# Altium PCB FlatSat Half 2.PcbDoc (part 5 of 9)
Units mil, origin at the board's own origin, x right, y up, seen from the top; angles counter-clockwise.
Board outline 4682 x 11604 mil, 4 copper layers (Top Layer, STR GND 1, STR GND 2, Bottom Layer), stack 33.434 mil thick; 231 components, 255 nets, 990 pads, 1104 vias.
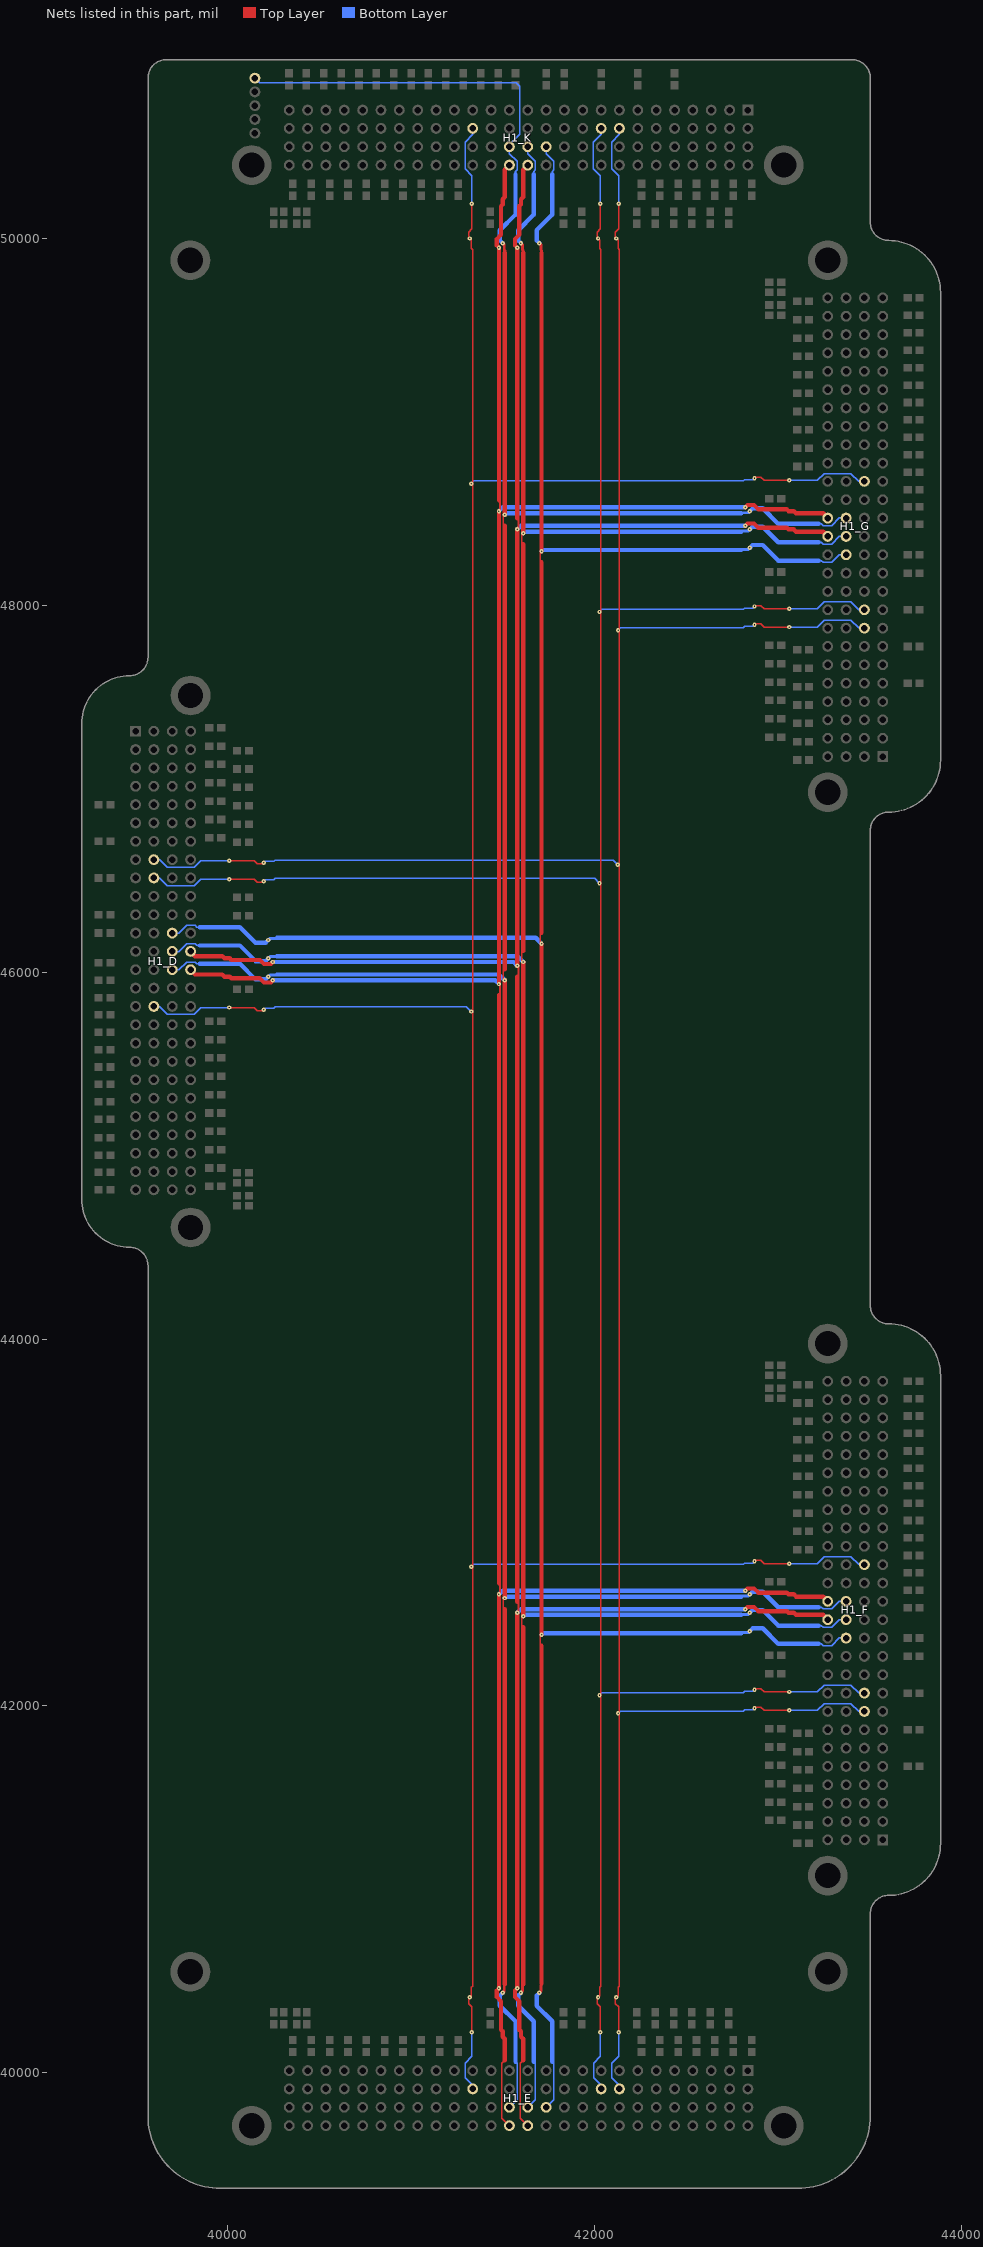
[diagram p7: the nets of this part, all layers, seen from the top]

## Design rules (kind name [scope] priority, off if disabled: settings) (continued)
Width "Schematic Width Constraint_82" [InNet('NetH1_C_45')] p1004: maxlimit=10 minlimit=8 preferedwidth=8
Width "Schematic Width Constraint_81" [InNet('NetH1_C_43')] p1005: maxlimit=10 minlimit=8 preferedwidth=8
Width "Schematic Width Constraint_80" [InNet('NetH1_C_41')] p1006: maxlimit=10 minlimit=8 preferedwidth=8
Width "Schematic Width Constraint_79" [InNet('NetH1_C_39')] p1007: maxlimit=10 minlimit=8 preferedwidth=8
Width "Schematic Width Constraint_78" [InNet('NetH1_C_37')] p1008: maxlimit=10 minlimit=8 preferedwidth=8
Width "Schematic Width Constraint_77" [InNet('NetH1_C_35')] p1009: maxlimit=10 minlimit=8 preferedwidth=8
Width "Schematic Width Constraint_76" [InNet('NetH1_C_33')] p1010: maxlimit=10 minlimit=8 preferedwidth=8
Width "Schematic Width Constraint_75" [InNet('NetH1_C_30')] p1011: maxlimit=10 minlimit=8 preferedwidth=8
Width "Schematic Width Constraint_74" [InNet('NetH1_C_22')] p1012: maxlimit=10 minlimit=8 preferedwidth=8
Width "Schematic Width Constraint_73" [InNet('NetH1_C_20')] p1013: maxlimit=10 minlimit=8 preferedwidth=8
Width "Schematic Width Constraint_72" [InNet('NetH1_C_14')] p1014: maxlimit=10 minlimit=8 preferedwidth=8
Width "Schematic Width Constraint_71" [InNet('NetH1_C_13')] p1015: maxlimit=10 minlimit=8 preferedwidth=8
Width "Schematic Width Constraint_70" [InNet('NetH1_C_12')] p1016: maxlimit=10 minlimit=8 preferedwidth=8
Width "Schematic Width Constraint_69" [InNet('NetH1_C_11')] p1017: maxlimit=10 minlimit=8 preferedwidth=8
Width "Schematic Width Constraint_68" [InNet('NetH1_C_10')] p1018: maxlimit=10 minlimit=8 preferedwidth=8
Width "Schematic Width Constraint_67" [InNet('NetH1_C_9')] p1019: maxlimit=10 minlimit=8 preferedwidth=8
Width "Schematic Width Constraint_66" [InNet('NetH1_C_8')] p1020: maxlimit=10 minlimit=8 preferedwidth=8
Width "Schematic Width Constraint_65" [InNet('NetH1_C_7')] p1021: maxlimit=10 minlimit=8 preferedwidth=8
Width "Schematic Width Constraint_64" [InNet('NetH1_C_6')] p1022: maxlimit=10 minlimit=8 preferedwidth=8
Width "Schematic Width Constraint_63" [InNet('NetH1_C_5')] p1023: maxlimit=10 minlimit=8 preferedwidth=8
Width "Schematic Width Constraint_62" [InNet('NetH1_C_4')] p1024: maxlimit=10 minlimit=8 preferedwidth=8
Width "Schematic Width Constraint_61" [InNet('NetH1_C_3')] p1025: maxlimit=10 minlimit=8 preferedwidth=8
Width "Schematic Width Constraint_60" [InNet('NetH1_C_1')] p1026: maxlimit=10 minlimit=8 preferedwidth=8
Width "Schematic Width Constraint_59" [InNet('NetH1_B_104')] p1027: maxlimit=10 minlimit=8 preferedwidth=8
Width "Schematic Width Constraint_58" [InNet('NetH1_B_103')] p1028: maxlimit=10 minlimit=8 preferedwidth=8
Width "Schematic Width Constraint_57" [InNet('NetH1_B_102')] p1029: maxlimit=10 minlimit=8 preferedwidth=8
Width "Schematic Width Constraint_56" [InNet('NetH1_B_101')] p1030: maxlimit=10 minlimit=8 preferedwidth=8
Width "Schematic Width Constraint_55" [InNet('NetH1_B_51')] p1031: maxlimit=10 minlimit=8 preferedwidth=8
Width "Schematic Width Constraint_54" [InNet('NetH1_B_49')] p1032: maxlimit=10 minlimit=8 preferedwidth=8
Width "Schematic Width Constraint_53" [InNet('NetH1_B_47')] p1033: maxlimit=10 minlimit=8 preferedwidth=8
Width "Schematic Width Constraint_52" [InNet('NetH1_B_45')] p1034: maxlimit=10 minlimit=8 preferedwidth=8
Width "Schematic Width Constraint_51" [InNet('NetH1_B_43')] p1035: maxlimit=10 minlimit=8 preferedwidth=8
Width "Schematic Width Constraint_50" [InNet('NetH1_B_41')] p1036: maxlimit=10 minlimit=8 preferedwidth=8
Width "Schematic Width Constraint_49" [InNet('NetH1_B_39')] p1037: maxlimit=10 minlimit=8 preferedwidth=8
Width "Schematic Width Constraint_48" [InNet('NetH1_B_37')] p1038: maxlimit=10 minlimit=8 preferedwidth=8
Width "Schematic Width Constraint_47" [InNet('NetH1_B_35')] p1039: maxlimit=10 minlimit=8 preferedwidth=8
Width "Schematic Width Constraint_46" [InNet('NetH1_B_33')] p1040: maxlimit=10 minlimit=8 preferedwidth=8
Width "Schematic Width Constraint_45" [InNet('NetH1_B_30')] p1041: maxlimit=10 minlimit=8 preferedwidth=8
Width "Schematic Width Constraint_44" [InNet('NetH1_B_22')] p1042: maxlimit=10 minlimit=8 preferedwidth=8
Width "Schematic Width Constraint_43" [InNet('NetH1_B_20')] p1043: maxlimit=10 minlimit=8 preferedwidth=8
Width "Schematic Width Constraint_42" [InNet('NetH1_B_14')] p1044: maxlimit=10 minlimit=8 preferedwidth=8
Width "Schematic Width Constraint_41" [InNet('NetH1_B_13')] p1045: maxlimit=10 minlimit=8 preferedwidth=8
Width "Schematic Width Constraint_40" [InNet('NetH1_B_12')] p1046: maxlimit=10 minlimit=8 preferedwidth=8
Width "Schematic Width Constraint_39" [InNet('NetH1_B_11')] p1047: maxlimit=10 minlimit=8 preferedwidth=8
Width "Schematic Width Constraint_38" [InNet('NetH1_B_10')] p1048: maxlimit=10 minlimit=8 preferedwidth=8
Width "Schematic Width Constraint_37" [InNet('NetH1_B_9')] p1049: maxlimit=10 minlimit=8 preferedwidth=8
Width "Schematic Width Constraint_36" [InNet('NetH1_B_8')] p1050: maxlimit=10 minlimit=8 preferedwidth=8
Width "Schematic Width Constraint_35" [InNet('NetH1_B_7')] p1051: maxlimit=10 minlimit=8 preferedwidth=8
Width "Schematic Width Constraint_34" [InNet('NetH1_B_6')] p1052: maxlimit=10 minlimit=8 preferedwidth=8
Width "Schematic Width Constraint_33" [InNet('NetH1_B_5')] p1053: maxlimit=10 minlimit=8 preferedwidth=8
Width "Schematic Width Constraint_32" [InNet('NetH1_B_4')] p1054: maxlimit=10 minlimit=8 preferedwidth=8
Width "Schematic Width Constraint_31" [InNet('NetH1_B_3')] p1055: maxlimit=10 minlimit=8 preferedwidth=8
Width "Schematic Width Constraint_30" [InNet('NetH1_B_1')] p1056: maxlimit=10 minlimit=8 preferedwidth=8
Width "Schematic Width Constraint_29" [InNet('NetH1_A_104')] p1057: maxlimit=10 minlimit=8 preferedwidth=8
Width "Schematic Width Constraint_28" [InNet('NetH1_A_103')] p1058: maxlimit=10 minlimit=8 preferedwidth=8
Width "Schematic Width Constraint_27" [InNet('NetH1_A_102')] p1059: maxlimit=10 minlimit=8 preferedwidth=8
Width "Schematic Width Constraint_25" [InNet('NetH1_A_51')] p1060: maxlimit=10 minlimit=8 preferedwidth=8
Width "Schematic Width Constraint_24" [InNet('NetH1_A_49')] p1061: maxlimit=10 minlimit=8 preferedwidth=8
Width "Schematic Width Constraint_23" [InNet('NetH1_A_47')] p1062: maxlimit=10 minlimit=8 preferedwidth=8
Width "Schematic Width Constraint_22" [InNet('NetH1_A_45')] p1063: maxlimit=10 minlimit=8 preferedwidth=8
Width "Schematic Width Constraint_21" [InNet('NetH1_A_43')] p1064: maxlimit=10 minlimit=8 preferedwidth=8
Width "Schematic Width Constraint_20" [InNet('NetH1_A_41')] p1065: maxlimit=10 minlimit=8 preferedwidth=8
Width "Schematic Width Constraint_19" [InNet('NetH1_A_39')] p1066: maxlimit=10 minlimit=8 preferedwidth=8
Width "Schematic Width Constraint_18" [InNet('NetH1_A_37')] p1067: maxlimit=10 minlimit=8 preferedwidth=8
Width "Schematic Width Constraint_17" [InNet('NetH1_A_35')] p1068: maxlimit=10 minlimit=8 preferedwidth=8
Width "Schematic Width Constraint_16" [InNet('NetH1_A_33')] p1069: maxlimit=10 minlimit=8 preferedwidth=8
Width "Schematic Width Constraint_15" [InNet('NetH1_A_30')] p1070: maxlimit=10 minlimit=8 preferedwidth=8
Width "Schematic Width Constraint_14" [InNet('NetH1_A_22')] p1071: maxlimit=10 minlimit=8 preferedwidth=8
Width "Schematic Width Constraint_13" [InNet('NetH1_A_20')] p1072: maxlimit=10 minlimit=8 preferedwidth=8
Width "Schematic Width Constraint_12" [InNet('NetH1_A_14')] p1073: maxlimit=10 minlimit=8 preferedwidth=8
Width "Schematic Width Constraint_11" [InNet('NetH1_A_13')] p1074: maxlimit=10 minlimit=8 preferedwidth=8
Width "Schematic Width Constraint_10" [InNet('NetH1_A_12')] p1075: maxlimit=10 minlimit=8 preferedwidth=8
Width "Schematic Width Constraint_9" [InNet('NetH1_A_11')] p1076: maxlimit=10 minlimit=8 preferedwidth=8
Width "Schematic Width Constraint_8" [InNet('NetH1_A_10')] p1077: maxlimit=10 minlimit=8 preferedwidth=8
Width "Schematic Width Constraint_7" [InNet('NetH1_A_9')] p1078: maxlimit=10 minlimit=8 preferedwidth=8
Width "Schematic Width Constraint_6" [InNet('NetH1_A_8')] p1079: maxlimit=10 minlimit=8 preferedwidth=8
Width "Schematic Width Constraint_5" [InNet('NetH1_A_7')] p1080: maxlimit=10 minlimit=8 preferedwidth=8
Width "Schematic Width Constraint_4" [InNet('NetH1_A_6')] p1081: maxlimit=10 minlimit=8 preferedwidth=8
Width "Schematic Width Constraint_3" [InNet('NetH1_A_5')] p1082: maxlimit=10 minlimit=8 preferedwidth=8
Width "Schematic Width Constraint_2" [InNet('NetH1_A_4')] p1083: maxlimit=10 minlimit=8 preferedwidth=8
Width "Schematic Width Constraint_1" [InNet('NetH1_A_3')] p1084: maxlimit=10 minlimit=8 preferedwidth=8
Width [All] p1085: maxlimit=40 minlimit=6 preferedwidth=24
26 further rules are at their usual default settings.

## Classes and differential pairs
component class A: H1_K J40_A J42_A J44_A J45_A J46_A J48_A J50_A J52_A J61_A J66_A J69_A J71_A J74_A J81_A J82_A J83_A J84_A J99_A J100_A R1_A R3_A R4_A R5_A R6_A R7_A R8_A R9_A R10_A R11_A R12_A R13_A R14_A R20_A R22_A R30_A R33_A R35_A R37_A R39_A R41_A R43_A R45_A R47_A R49_A R51_A R101_A R102_A R103_A R104_A
channel class FlatSat-PC-104: A B C D E F G H
component class D: H1_D J40_D J42_D J44_D J45_D J46_D J48_D J50_D J52_D J61_D J66_D J69_D J71_D J74_D J81_D J82_D J83_D J84_D J99_D J100_D R1_D R3_D R4_D R5_D R6_D R7_D R8_D R9_D R10_D R11_D R12_D R13_D R14_D R20_D R22_D R30_D R33_D R35_D R37_D R39_D R41_D R43_D R45_D R47_D R49_D R51_D R101_D R102_D R103_D R104_D
component class E: H1_E R1_E R3_E R4_E R5_E R6_E R7_E R8_E R9_E R10_E R11_E R12_E R13_E R14_E R20_E R22_E R30_E R33_E R35_E R37_E R39_E R41_E R43_E R45_E R47_E R49_E R51_E R101_E R102_E R103_E R104_E
component class F: H1_F J40_F J42_F J44_F J45_F J46_F J48_F J50_F J52_F J61_F J66_F J69_F J71_F J74_F J81_F J82_F J83_F J84_F J99_F J100_F R1_F R3_F R4_F R5_F R6_F R7_F R8_F R9_F R10_F R11_F R12_F R13_F R14_F R20_F R22_F R30_F R33_F R35_F R37_F R39_F R41_F R43_F R45_F R47_F R49_F R51_F R101_F R102_F R103_F R104_F
component class G: H1_G J40_G J42_G J44_G J45_G J46_G J48_G J50_G J52_G J61_G J66_G J69_G J71_G J74_G J81_G J82_G J83_G J84_G J99_G J100_G R1_G R3_G R4_G R5_G R6_G R7_G R8_G R9_G R10_G R11_G R12_G R13_G R14_G R20_G R22_G R30_G R33_G R35_G R37_G R39_G R41_G R43_G R45_G R47_G R49_G R51_G R101_G R102_G R103_G R104_G

## Components (designator, comment, footprint, x,y, rotation, side; value= is the part's Value field where it differs from the comment)
H1_D "MOVE-II PC104" EPS 36224,47863 r270 top locked (schematic designator H1)
H1_E "MOVE-II PC104" EPS 43387,43287 r180 top locked (schematic designator H1)
H1_F "MOVE-II PC104" EPS 46847,40720 r90 top locked (schematic designator H1)
H1_G "MOVE-II PC104" EPS 46847,46625 r90 top locked (schematic designator H1)
H1_K "MOVE-II PC104" EPS 43387,53974 r180 top locked (schematic designator H1)
J40_A "CRCW06030000Z0EA" RESC1609X55X30ML10T20 41190.31,50867 r90 top (schematic designator J40)
J40_D "CRCW06030000Z0EA" RESC1609X55X30ML10T20 39330,45671.93 r180 top (schematic designator J40)
J40_F "CRCW06030000Z0EA" RESC1609X55X30ML10T20 43740,42916.07 r0 top (schematic designator J40)
J40_G "CRCW06030000Z0EA" RESC1609X55X30ML10T20 43740,48821.07 r0 top (schematic designator J40)
J42_A "CRCW06030000Z0EA" RESC1609X55X30ML10T20 41095.66,50867 r90 top (schematic designator J42)
J42_D "CRCW06030000Z0EA" RESC1609X55X30ML10T20 39330,45577.28 r180 top (schematic designator J42)
J42_F "CRCW06030000Z0EA" RESC1609X55X30ML10T20 43740,43010.72 r0 top (schematic designator J42)
J42_G "CRCW06030000Z0EA" RESC1609X55X30ML10T20 43740,48915.72 r0 top (schematic designator J42)
J44_A "CRCW06030000Z0EA" RESC1609X55X30ML10T20 41001,50867 r90 top (schematic designator J44)
J44_D "CRCW06030000Z0EA" RESC1609X55X30ML10T20 39330,45482.62 r180 top (schematic designator J44)
J44_F "CRCW06030000Z0EA" RESC1609X55X30ML10T20 43740,43105.38 r0 top (schematic designator J44)
J44_G "CRCW06030000Z0EA" RESC1609X55X30ML10T20 43740,49010.38 r0 top (schematic designator J44)
J45_A "CRCW06030000Z0EA" RESC1609X55X30ML10T20 40906.31,50867 r90 top (schematic designator J45)
J45_D "CRCW06030000Z0EA" RESC1609X55X30ML10T20 39330,45387.97 r180 top (schematic designator J45)
J45_F "CRCW06030000Z0EA" RESC1609X55X30ML10T20 43740,43200.03 r0 top (schematic designator J45)
J45_G "CRCW06030000Z0EA" RESC1609X55X30ML10T20 43740,49105.03 r0 top (schematic designator J45)
J46_A "CRCW06030000Z0EA" RESC1609X55X30ML10T20 40811.66,50867 r90 top (schematic designator J46)
J46_D "CRCW06030000Z0EA" RESC1609X55X30ML10T20 39330,45293.31 r180 top (schematic designator J46)
J46_F "CRCW06030000Z0EA" RESC1609X55X30ML10T20 43740,43294.69 r0 top (schematic designator J46)
J46_G "CRCW06030000Z0EA" RESC1609X55X30ML10T20 43740,49199.69 r0 top (schematic designator J46)
J48_A "CRCW06030000Z0EA" RESC1609X55X30ML10T20 40620,50867 r90 top (schematic designator J48)
J48_D "CRCW06030000Z0EA" RESC1609X55X30ML10T20 39330,45097.31 r180 top (schematic designator J48)
J48_F "CRCW06030000Z0EA" RESC1609X55X30ML10T20 43740,43485.69 r0 top (schematic designator J48)
J48_G "CRCW06030000Z0EA" RESC1609X55X30ML10T20 43740,49390.69 r0 top (schematic designator J48)
J50_A "CRCW06030000Z0EA" RESC1609X55X30ML10T20 40430.34,50867 r90 top (schematic designator J50)
J50_D "CRCW06030000Z0EA" RESC1609X55X30ML10T20 39330,44908 r180 top (schematic designator J50)
J50_F "CRCW06030000Z0EA" RESC1609X55X30ML10T20 43740,43675 r0 top (schematic designator J50)
J50_G "CRCW06030000Z0EA" RESC1609X55X30ML10T20 43740,49580 r0 top (schematic designator J50)
J52_A "CRCW06030000Z0EA" RESC1609X55X30ML10T20 40335.69,50867 r90 top (schematic designator J52)
J52_D "CRCW06030000Z0EA" RESC1609X55X30ML10T20 39330,44813 r180 top (schematic designator J52)
J52_F "CRCW06030000Z0EA" RESC1609X55X30ML10T20 43740,43770 r0 top (schematic designator J52)
J52_G "CRCW06030000Z0EA" RESC1609X55X30ML10T20 43740,49675 r0 top (schematic designator J52)
J61_A "CRCW06030000Z0EA" RESC1609X55X30ML10T20 42437,50867 r270 top (schematic designator J61)
J61_D "CRCW06030000Z0EA" RESC1609X55X30ML10T20 39330,46913 r0 top (schematic designator J61)
J61_F "CRCW06030000Z0EA" RESC1609X55X30ML10T20 43740,41670 r180 top (schematic designator J61)
J61_G "CRCW06030000Z0EA" RESC1609X55X30ML10T20 43740,47575 r180 top (schematic designator J61)
J66_A "CRCW06030000Z0EA" RESC1609X55X30ML10T20 42237,50867 r90 top (schematic designator J66)
J66_D "CRCW06030000Z0EA" RESC1609X55X30ML10T20 39330,46713 r180 top (schematic designator J66)
J66_F "CRCW06030000Z0EA" RESC1609X55X30ML10T20 43740,41870 r0 top (schematic designator J66)
J66_G "CRCW06030000Z0EA" RESC1609X55X30ML10T20 43740,47775 r0 top (schematic designator J66)
J69_A "CRCW06030000Z0EA" RESC1609X55X30ML10T20 42037,50867 r270 top (schematic designator J69)
J69_D "CRCW06030000Z0EA" RESC1609X55X30ML10T20 39330,46513 r0 top (schematic designator J69)
J69_F "CRCW06030000Z0EA" RESC1609X55X30ML10T20 43740,42070 r180 top (schematic designator J69)
J69_G "CRCW06030000Z0EA" RESC1609X55X30ML10T20 43740,47975 r180 top (schematic designator J69)
J71_A "CRCW06030000Z0EA" RESC1609X55X30ML10T20 41837,50867 r270 top (schematic designator J71)
J71_D "CRCW06030000Z0EA" RESC1609X55X30ML10T20 39330,46313 r0 top (schematic designator J71)
J71_F "CRCW06030000Z0EA" RESC1609X55X30ML10T20 43740,42270 r180 top (schematic designator J71)
J71_G "CRCW06030000Z0EA" RESC1609X55X30ML10T20 43740,48175 r180 top (schematic designator J71)
J74_A "CRCW06030000Z0EA" RESC1609X55X30ML10T20 41737,50867 r90 top (schematic designator J74)
J74_D "CRCW06030000Z0EA" RESC1609X55X30ML10T20 39330,46213 r180 top (schematic designator J74)
J74_F "CRCW06030000Z0EA" RESC1609X55X30ML10T20 43740,42370 r0 top (schematic designator J74)
J74_G "CRCW06030000Z0EA" RESC1609X55X30ML10T20 43740,48275 r0 top (schematic designator J74)
J81_A "CRCW06030000Z0EA" RESC1609X55X30ML10T20 41569.97,50867 r270 top (schematic designator J81)
J81_D "CRCW06030000Z0EA" RESC1609X55X30ML10T20 39330,46050.56 r0 top (schematic designator J81)
J81_F "CRCW06030000Z0EA" RESC1609X55X30ML10T20 43740,42536.03 r180 top (schematic designator J81)
J81_G "CRCW06030000Z0EA" RESC1609X55X30ML10T20 43740,48441.03 r180 top (schematic designator J81)
J82_A "CRCW06030000Z0EA" RESC1609X55X30ML10T20 41475.31,50867 r90 top (schematic designator J82)
J82_D "CRCW06030000Z0EA" RESC1609X55X30ML10T20 39330,45955.9 r180 top (schematic designator J82)
J82_F "CRCW06030000Z0EA" RESC1609X55X30ML10T20 43740,42630.69 r0 top (schematic designator J82)
J82_G "CRCW06030000Z0EA" RESC1609X55X30ML10T20 43740,48535.69 r0 top (schematic designator J82)
J83_A "CRCW06030000Z0EA" RESC1609X55X30ML10T20 41380.66,50867 r270 top (schematic designator J83)
J83_D "CRCW06030000Z0EA" RESC1609X55X30ML10T20 39330,45861.24 r0 top (schematic designator J83)
J83_F "CRCW06030000Z0EA" RESC1609X55X30ML10T20 43740,42725.34 r180 top (schematic designator J83)
J83_G "CRCW06030000Z0EA" RESC1609X55X30ML10T20 43740,48630.34 r180 top (schematic designator J83)
J84_A "CRCW06030000Z0EA" RESC1609X55X30ML10T20 41286,50867 r90 top (schematic designator J84)
J84_D "CRCW06030000Z0EA" RESC1609X55X30ML10T20 39330,45766.59 r180 top (schematic designator J84)
J84_F "CRCW06030000Z0EA" RESC1609X55X30ML10T20 43740,42820 r0 top (schematic designator J84)
J84_G "CRCW06030000Z0EA" RESC1609X55X30ML10T20 43740,48725 r0 top (schematic designator J84)
J99_A "CRCW06030000Z0EA" RESC1609X55X30ML10T20 40717,50867 r270 top (schematic designator J99)
J99_D "CRCW06030000Z0EA" RESC1609X55X30ML10T20 39330,45198.66 r0 top (schematic designator J99)
J99_F "CRCW06030000Z0EA" RESC1609X55X30ML10T20 43740,43389.34 r180 top (schematic designator J99)
J99_G "CRCW06030000Z0EA" RESC1609X55X30ML10T20 43740,49294.34 r180 top (schematic designator J99)
J100_A "CRCW06030000Z0EA" RESC1609X55X30ML10T20 40525,50867 r90 top (schematic designator J100)
J100_D "CRCW06030000Z0EA" RESC1609X55X30ML10T20 39330,45002.66 r180 top (schematic designator J100)
J100_F "CRCW06030000Z0EA" RESC1609X55X30ML10T20 43740,43580.34 r0 top (schematic designator J100)
J100_G "CRCW06030000Z0EA" RESC1609X55X30ML10T20 43740,49485.34 r0 top (schematic designator J100)
R1_A "CRCW06030000Z0EA" RESC1609X55X30ML10T20 42857,50264 r90 top (schematic designator R1)
R1_D "CRCW06030000Z0EA" RESC1609X55X30ML10T20 39933,47332 r180 top (schematic designator R1)
R1_E "CRCW06030000Z0EA" RESC1609X55X30ML10T20 42857,40146 r270 top (schematic designator R1)
R1_F "CRCW06030000Z0EA" RESC1609X55X30ML10T20 43138,41251 r0 top (schematic designator R1)
R1_G "CRCW06030000Z0EA" RESC1609X55X30ML10T20 43138,47156 r0 top (schematic designator R1)
R3_A "CRCW06030000Z0EA" RESC1609X55X30ML10T20 42757,50264 r90 top (schematic designator R3)
R3_D "CRCW06030000Z0EA" RESC1609X55X30ML10T20 39933,47232 r180 top (schematic designator R3)
R3_E "CRCW06030000Z0EA" RESC1609X55X30ML10T20 42757,40146 r270 top (schematic designator R3)
R3_F "CRCW06030000Z0EA" RESC1609X55X30ML10T20 43138,41351 r0 top (schematic designator R3)
R3_G "CRCW06030000Z0EA" RESC1609X55X30ML10T20 43138,47256 r0 top (schematic designator R3)
R4_A "CRCW06030000Z0EA" RESC1609X55X30ML10T20 42732,50112 r270 top (schematic designator R4)
R4_D "CRCW06030000Z0EA" RESC1609X55X30ML10T20 40085,47207 r0 top (schematic designator R4)
R4_E "CRCW06030000Z0EA" RESC1609X55X30ML10T20 42732,40298 r90 top (schematic designator R4)
R4_F "CRCW06030000Z0EA" RESC1609X55X30ML10T20 42986,41376 r180 top (schematic designator R4)
R4_G "CRCW06030000Z0EA" RESC1609X55X30ML10T20 42986,47281 r180 top (schematic designator R4)
R5_A "CRCW06030000Z0EA" RESC1609X55X30ML10T20 42657,50264 r90 top (schematic designator R5)
R5_D "CRCW06030000Z0EA" RESC1609X55X30ML10T20 39933,47132 r180 top (schematic designator R5)
R5_E "CRCW06030000Z0EA" RESC1609X55X30ML10T20 42657,40146 r270 top (schematic designator R5)
R5_F "CRCW06030000Z0EA" RESC1609X55X30ML10T20 43138,41451 r0 top (schematic designator R5)
R5_G "CRCW06030000Z0EA" RESC1609X55X30ML10T20 43138,47356 r0 top (schematic designator R5)
R6_A "CRCW06030000Z0EA" RESC1609X55X30ML10T20 42632,50112 r270 top (schematic designator R6)
R6_D "CRCW06030000Z0EA" RESC1609X55X30ML10T20 40085,47107 r0 top (schematic designator R6)
R6_E "CRCW06030000Z0EA" RESC1609X55X30ML10T20 42632,40298 r90 top (schematic designator R6)
R6_F "CRCW06030000Z0EA" RESC1609X55X30ML10T20 42986,41476 r180 top (schematic designator R6)
R6_G "CRCW06030000Z0EA" RESC1609X55X30ML10T20 42986,47381 r180 top (schematic designator R6)
R7_A "CRCW06030000Z0EA" RESC1609X55X30ML10T20 42557,50264 r90 top (schematic designator R7)
R7_D "CRCW06030000Z0EA" RESC1609X55X30ML10T20 39933,47032 r180 top (schematic designator R7)
R7_E "CRCW06030000Z0EA" RESC1609X55X30ML10T20 42557,40146 r270 top (schematic designator R7)
R7_F "CRCW06030000Z0EA" RESC1609X55X30ML10T20 43138,41551 r0 top (schematic designator R7)
R7_G "CRCW06030000Z0EA" RESC1609X55X30ML10T20 43138,47456 r0 top (schematic designator R7)
R8_A "CRCW06030000Z0EA" RESC1609X55X30ML10T20 42532,50112 r270 top (schematic designator R8)
R8_D "CRCW06030000Z0EA" RESC1609X55X30ML10T20 40085,47007 r0 top (schematic designator R8)
R8_E "CRCW06030000Z0EA" RESC1609X55X30ML10T20 42532,40298 r90 top (schematic designator R8)
R8_F "CRCW06030000Z0EA" RESC1609X55X30ML10T20 42986,41576 r180 top (schematic designator R8)
R8_G "CRCW06030000Z0EA" RESC1609X55X30ML10T20 42986,47481 r180 top (schematic designator R8)
R9_A "CRCW06030000Z0EA" RESC1609X55X30ML10T20 42457,50264 r90 top (schematic designator R9)
R9_D "CRCW06030000Z0EA" RESC1609X55X30ML10T20 39933,46932 r180 top (schematic designator R9)
R9_E "CRCW06030000Z0EA" RESC1609X55X30ML10T20 42457,40146 r270 top (schematic designator R9)
R9_F "CRCW06030000Z0EA" RESC1609X55X30ML10T20 43138,41651 r0 top (schematic designator R9)
R9_G "CRCW06030000Z0EA" RESC1609X55X30ML10T20 43138,47556 r0 top (schematic designator R9)
R10_A "CRCW06030000Z0EA" RESC1609X55X30ML10T20 42432,50112 r270 top (schematic designator R10)
R10_D "CRCW06030000Z0EA" RESC1609X55X30ML10T20 40085,46907 r0 top (schematic designator R10)
R10_E "CRCW06030000Z0EA" RESC1609X55X30ML10T20 42432,40298 r90 top (schematic designator R10)
R10_F "CRCW06030000Z0EA" RESC1609X55X30ML10T20 42986,41676 r180 top (schematic designator R10)
R10_G "CRCW06030000Z0EA" RESC1609X55X30ML10T20 42986,47581 r180 top (schematic designator R10)
R11_A "CRCW06030000Z0EA" RESC1609X55X30ML10T20 42357,50264 r90 top (schematic designator R11)
R11_D "CRCW06030000Z0EA" RESC1609X55X30ML10T20 39933,46832 r180 top (schematic designator R11)
R11_E "CRCW06030000Z0EA" RESC1609X55X30ML10T20 42357,40146 r270 top (schematic designator R11)
R11_F "CRCW06030000Z0EA" RESC1609X55X30ML10T20 43138,41751 r0 top (schematic designator R11)
R11_G "CRCW06030000Z0EA" RESC1609X55X30ML10T20 43138,47656 r0 top (schematic designator R11)
R12_A "CRCW06030000Z0EA" RESC1609X55X30ML10T20 42332,50112 r270 top (schematic designator R12)
R12_D "CRCW06030000Z0EA" RESC1609X55X30ML10T20 40085,46807 r0 top (schematic designator R12)
R12_E "CRCW06030000Z0EA" RESC1609X55X30ML10T20 42332,40298 r90 top (schematic designator R12)
R12_F "CRCW06030000Z0EA" RESC1609X55X30ML10T20 42986,41776 r180 top (schematic designator R12)
R12_G "CRCW06030000Z0EA" RESC1609X55X30ML10T20 42986,47681 r180 top (schematic designator R12)
R13_A "CRCW06030000Z0EA" RESC1609X55X30ML10T20 42257,50264 r90 top (schematic designator R13)
R13_D "CRCW06030000Z0EA" RESC1609X55X30ML10T20 39933,46732 r180 top (schematic designator R13)
R13_E "CRCW06030000Z0EA" RESC1609X55X30ML10T20 42257,40146 r270 top (schematic designator R13)
R13_F "CRCW06030000Z0EA" RESC1609X55X30ML10T20 43138,41851 r0 top (schematic designator R13)
R13_G "CRCW06030000Z0EA" RESC1609X55X30ML10T20 43138,47756 r0 top (schematic designator R13)
R14_A "CRCW06030000Z0EA" RESC1609X55X30ML10T20 42232,50112.33 r270 top (schematic designator R14)
R14_D "CRCW06030000Z0EA" RESC1609X55X30ML10T20 40084.67,46707 r0 top (schematic designator R14)
R14_E "CRCW06030000Z0EA" RESC1609X55X30ML10T20 42232,40297.67 r90 top (schematic designator R14)
R14_F "CRCW06030000Z0EA" RESC1609X55X30ML10T20 42986.33,41876 r180 top (schematic designator R14)
R14_G "CRCW06030000Z0EA" RESC1609X55X30ML10T20 42986.33,47781 r180 top (schematic designator R14)
R20_A "CRCW06030000Z0EA" RESC1609X55X30ML10T20 41932,50112 r270 top (schematic designator R20)
R20_D "CRCW06030000Z0EA" RESC1609X55X30ML10T20 40085,46407 r0 top (schematic designator R20)
R20_E "CRCW06030000Z0EA" RESC1609X55X30ML10T20 41932,40298 r90 top (schematic designator R20)
R20_F "CRCW06030000Z0EA" RESC1609X55X30ML10T20 42986,42176 r180 top (schematic designator R20)
R20_G "CRCW06030000Z0EA" RESC1609X55X30ML10T20 42986,48081 r180 top (schematic designator R20)
R22_A "CRCW06030000Z0EA" RESC1609X55X30ML10T20 41832,50112 r270 top (schematic designator R22)
R22_D "CRCW06030000Z0EA" RESC1609X55X30ML10T20 40085,46307 r0 top (schematic designator R22)
R22_E "CRCW06030000Z0EA" RESC1609X55X30ML10T20 41832,40298 r90 top (schematic designator R22)
R22_F "CRCW06030000Z0EA" RESC1609X55X30ML10T20 42986,42276 r180 top (schematic designator R22)
R22_G "CRCW06030000Z0EA" RESC1609X55X30ML10T20 42986,48181 r180 top (schematic designator R22)
R30_A "CRCW06030000Z0EA" RESC1609X55X30ML10T20 41432,50112 r270 top (schematic designator R30)
R30_D "CRCW06030000Z0EA" RESC1609X55X30ML10T20 40085,45907 r0 top (schematic designator R30)
R30_E "CRCW06030000Z0EA" RESC1609X55X30ML10T20 41432,40298 r90 top (schematic designator R30)
R30_F "CRCW06030000Z0EA" RESC1609X55X30ML10T20 42986,42676 r180 top (schematic designator R30)
R30_G "CRCW06030000Z0EA" RESC1609X55X30ML10T20 42986,48581 r180 top (schematic designator R30)
R33_A "CRCW06030000Z0EA" RESC1609X55X30ML10T20 41257,50264 r90 top (schematic designator R33)
R33_D "CRCW06030000Z0EA" RESC1609X55X30ML10T20 39933,45732 r180 top (schematic designator R33)
R33_E "CRCW06030000Z0EA" RESC1609X55X30ML10T20 41257,40146 r270 top (schematic designator R33)
R33_F "CRCW06030000Z0EA" RESC1609X55X30ML10T20 43138,42851 r0 top (schematic designator R33)
R33_G "CRCW06030000Z0EA" RESC1609X55X30ML10T20 43138,48756 r0 top (schematic designator R33)
R35_A "CRCW06030000Z0EA" RESC1609X55X30ML10T20 41157,50264 r270 top (schematic designator R35)
R35_D "CRCW06030000Z0EA" RESC1609X55X30ML10T20 39933,45632 r0 top (schematic designator R35)
R35_E "CRCW06030000Z0EA" RESC1609X55X30ML10T20 41157,40146 r90 top (schematic designator R35)
R35_F "CRCW06030000Z0EA" RESC1609X55X30ML10T20 43138,42951 r180 top (schematic designator R35)
R35_G "CRCW06030000Z0EA" RESC1609X55X30ML10T20 43138,48856 r180 top (schematic designator R35)
R37_A "CRCW06030000Z0EA" RESC1609X55X30ML10T20 41057,50264 r90 top (schematic designator R37)
R37_D "CRCW06030000Z0EA" RESC1609X55X30ML10T20 39933,45532 r180 top (schematic designator R37)
R37_E "CRCW06030000Z0EA" RESC1609X55X30ML10T20 41057,40146 r270 top (schematic designator R37)
R37_F "CRCW06030000Z0EA" RESC1609X55X30ML10T20 43138,43051 r0 top (schematic designator R37)
R37_G "CRCW06030000Z0EA" RESC1609X55X30ML10T20 43138,48956 r0 top (schematic designator R37)
R39_A "CRCW06030000Z0EA" RESC1609X55X30ML10T20 40957,50264 r90 top (schematic designator R39)
R39_D "CRCW06030000Z0EA" RESC1609X55X30ML10T20 39933,45432 r180 top (schematic designator R39)
R39_E "CRCW06030000Z0EA" RESC1609X55X30ML10T20 40957,40146 r270 top (schematic designator R39)
R39_F "CRCW06030000Z0EA" RESC1609X55X30ML10T20 43138,43151 r0 top (schematic designator R39)
R39_G "CRCW06030000Z0EA" RESC1609X55X30ML10T20 43138,49056 r0 top (schematic designator R39)
R41_A "CRCW06030000Z0EA" RESC1609X55X30ML10T20 40857,50264 r90 top (schematic designator R41)
R41_D "CRCW06030000Z0EA" RESC1609X55X30ML10T20 39933,45332 r180 top (schematic designator R41)
R41_E "CRCW06030000Z0EA" RESC1609X55X30ML10T20 40857,40146 r270 top (schematic designator R41)
R41_F "CRCW06030000Z0EA" RESC1609X55X30ML10T20 43138,43251 r0 top (schematic designator R41)
R41_G "CRCW06030000Z0EA" RESC1609X55X30ML10T20 43138,49156 r0 top (schematic designator R41)
R43_A "CRCW06030000Z0EA" RESC1609X55X30ML10T20 40757,50264 r90 top (schematic designator R43)
R43_D "CRCW06030000Z0EA" RESC1609X55X30ML10T20 39933,45232 r180 top (schematic designator R43)
R43_E "CRCW06030000Z0EA" RESC1609X55X30ML10T20 40757,40146 r270 top (schematic designator R43)
R43_F "CRCW06030000Z0EA" RESC1609X55X30ML10T20 43138,43351 r0 top (schematic designator R43)
R43_G "CRCW06030000Z0EA" RESC1609X55X30ML10T20 43138,49256 r0 top (schematic designator R43)
R45_A "CRCW06030000Z0EA" RESC1609X55X30ML10T20 40657,50264 r90 top (schematic designator R45)
R45_D "CRCW06030000Z0EA" RESC1609X55X30ML10T20 39933,45132 r180 top (schematic designator R45)
R45_E "CRCW06030000Z0EA" RESC1609X55X30ML10T20 40657,40146 r270 top (schematic designator R45)
R45_F "CRCW06030000Z0EA" RESC1609X55X30ML10T20 43138,43451 r0 top (schematic designator R45)
R45_G "CRCW06030000Z0EA" RESC1609X55X30ML10T20 43138,49356 r0 top (schematic designator R45)
R47_A "CRCW06030000Z0EA" RESC1609X55X30ML10T20 40557,50264 r90 top (schematic designator R47)
R47_D "CRCW06030000Z0EA" RESC1609X55X30ML10T20 39933,45032 r180 top (schematic designator R47)
R47_E "CRCW06030000Z0EA" RESC1609X55X30ML10T20 40557,40146 r270 top (schematic designator R47)
R47_F "CRCW06030000Z0EA" RESC1609X55X30ML10T20 43138,43551 r0 top (schematic designator R47)
R47_G "CRCW06030000Z0EA" RESC1609X55X30ML10T20 43138,49456 r0 top (schematic designator R47)
R49_A "CRCW06030000Z0EA" RESC1609X55X30ML10T20 40457,50264 r90 top (schematic designator R49)
R49_D "CRCW06030000Z0EA" RESC1609X55X30ML10T20 39933,44932 r180 top (schematic designator R49)
R49_E "CRCW06030000Z0EA" RESC1609X55X30ML10T20 40457,40146 r270 top (schematic designator R49)
R49_F "CRCW06030000Z0EA" RESC1609X55X30ML10T20 43138,43651 r0 top (schematic designator R49)
R49_G "CRCW06030000Z0EA" RESC1609X55X30ML10T20 43138,49556 r0 top (schematic designator R49)
R51_A "CRCW06030000Z0EA" RESC1609X55X30ML10T20 40357,50264 r90 top (schematic designator R51)
R51_D "CRCW06030000Z0EA" RESC1609X55X30ML10T20 39933,44832 r180 top (schematic designator R51)
R51_E "CRCW06030000Z0EA" RESC1609X55X30ML10T20 40357,40146 r270 top (schematic designator R51)
R51_F "CRCW06030000Z0EA" RESC1609X55X30ML10T20 43138,43751 r0 top (schematic designator R51)
R51_G "CRCW06030000Z0EA" RESC1609X55X30ML10T20 43138,49656 r0 top (schematic designator R51)
R101_A "CRCW06030000Z0EA" RESC1609X55X30ML10T20 40431.67,50112 r270 top (schematic designator R101)
R101_D "CRCW06030000Z0EA" RESC1609X55X30ML10T20 40085,44906.67 r0 top (schematic designator R101)
R101_E "CRCW06030000Z0EA" RESC1609X55X30ML10T20 40431.67,40298 r90 top (schematic designator R101)
R101_F "CRCW06030000Z0EA" RESC1609X55X30ML10T20 42986,43676.33 r180 top (schematic designator R101)
R101_G "CRCW06030000Z0EA" RESC1609X55X30ML10T20 42986,49581.33 r180 top (schematic designator R101)
R102_A "CRCW06030000Z0EA" RESC1609X55X30ML10T20 40376.67,50112 r90 top (schematic designator R102)
R102_D "CRCW06030000Z0EA" RESC1609X55X30ML10T20 40085,44851.67 r180 top (schematic designator R102)
R102_E "CRCW06030000Z0EA" RESC1609X55X30ML10T20 40376.67,40298 r270 top (schematic designator R102)
R102_F "CRCW06030000Z0EA" RESC1609X55X30ML10T20 42986,43731.33 r0 top (schematic designator R102)
R102_G "CRCW06030000Z0EA" RESC1609X55X30ML10T20 42986,49636.33 r0 top (schematic designator R102)
R103_A "CRCW06030000Z0EA" RESC1609X55X30ML10T20 40306.67,50112 r90 top (schematic designator R103)
R103_D "CRCW06030000Z0EA" RESC1609X55X30ML10T20 40085,44781.67 r180 top (schematic designator R103)
R103_E "CRCW06030000Z0EA" RESC1609X55X30ML10T20 40306.67,40298 r270 top (schematic designator R103)
R103_F "CRCW06030000Z0EA" RESC1609X55X30ML10T20 42986,43801.33 r0 top (schematic designator R103)
R103_G "CRCW06030000Z0EA" RESC1609X55X30ML10T20 42986,49706.33 r0 top (schematic designator R103)
R104_A "CRCW06030000Z0EA" RESC1609X55X30ML10T20 40251.67,50112 r270 top (schematic designator R104)
R104_D "CRCW06030000Z0EA" RESC1609X55X30ML10T20 40085,44726.67 r0 top (schematic designator R104)
R104_E "CRCW06030000Z0EA" RESC1609X55X30ML10T20 40251.67,40298 r90 top (schematic designator R104)
R104_F "CRCW06030000Z0EA" RESC1609X55X30ML10T20 42986,43856.33 r180 top (schematic designator R104)
R104_G "CRCW06030000Z0EA" RESC1609X55X30ML10T20 42986,49761.33 r180 top (schematic designator R104)

## Footprints (in the part's own frame and the unit in brackets; to place one, negate y for a bottom-side part, rotate by r counter-clockwise, add the part's x,y. Pads: shape width x height; smd on the part's side, far side on the other; paste and mask are expansions set on the pad)
EPS [mm] "3rd gen 1U EPS from clydespace"
  round 5.5 hole 3.5: 0(9.017,90.805) 0(82.677,90.805)
  rect 1.5x1.5 hole 0.9: 1(13.97,83.185)
  round 1.5 hole 0.9: 2(13.97,85.725) 3(16.51,83.185) 4(16.51,85.725) 5(19.05,83.185) 6(19.05,85.725) 7(21.59,83.185) 8(21.59,85.725) 9(24.13,83.185) 10(24.13,85.725) 11(26.67,83.185) 12(26.67,85.725) 13(29.21,83.185) 14(29.21,85.725) 15(31.75,83.185) 16(31.75,85.725) 17(34.29,83.185) 18(34.29,85.725) 19(36.83,83.185) 20(36.83,85.725) 21(39.37,83.185) 22(39.37,85.725) 23(41.91,83.185) 24(41.91,85.725) 25(44.45,83.185) 26(44.45,85.725) 27(46.99,83.185) 28(46.99,85.725) 29(49.53,83.185) 30(49.53,85.725) 31(52.07,83.185) 32(52.07,85.725) 33(54.61,83.185) 34(54.61,85.725) 35(57.15,83.185) 36(57.15,85.725) 37(59.69,83.185) 38(59.69,85.725) 39(62.23,83.185) 40(62.23,85.725) 41(64.77,83.185) 42(64.77,85.725) 43(67.31,83.185) 44(67.31,85.725) 45(69.85,83.185) 46(69.85,85.725) 47(72.39,83.185) 48(72.39,85.725) 49(74.93,83.185) 50(74.93,85.725) 51(77.47,83.185) 52(77.47,85.725) 53(13.97,88.265) 54(13.97,90.805) 55(16.51,88.265) 56(16.51,90.805) 57(19.05,88.265) 58(19.05,90.805) 59(21.59,88.265) 60(21.59,90.805) 61(24.13,88.265) 62(24.13,90.805) 63(26.67,88.265) 64(26.67,90.805) 65(29.21,88.265) 66(29.21,90.805) 67(31.75,88.265) 68(31.75,90.805) 69(34.29,88.265) 70(34.29,90.805) 71(36.83,88.265) 72(36.83,90.805) 73(39.37,88.265) 74(39.37,90.805) 75(41.91,88.265) 76(41.91,90.805) 77(44.45,88.265) 78(44.45,90.805) 79(46.99,88.265) 80(46.99,90.805) 81(49.53,88.265) 82(49.53,90.805) 83(52.07,88.265) 84(52.07,90.805) 85(54.61,88.265) 86(54.61,90.805) 87(57.15,88.265) 88(57.15,90.805) 89(59.69,88.265) 90(59.69,90.805) 91(62.23,88.265) 92(62.23,90.805) 93(64.77,88.265) 94(64.77,90.805) 95(67.31,88.265) 96(67.31,90.805) 97(69.85,88.265) 98(69.85,90.805) 99(72.39,88.265) 100(72.39,90.805) 101(74.93,88.265) 102(74.93,90.805) 103(77.47,88.265) 104(77.47,90.805)
  silkscreen extent 12.37,81.91 79.07,92.08, body extent 12.47,82.02 79.02,91.92, height 11.05
RESC1609X55X30ML10T20 [mm] "Chip Resistor, 2-Leads, Body 1.60x0.85mm, IPC Low Density"
  rect 1.15x1.05 smd: 1(-0.825,0) 2(0.825,0)
  body extent -0.85,-0.48 0.85,0.48, height 0.55

## Part data
J40_A J40_D J40_F J40_G J42_A J42_D J42_F J42_G J44_A J44_D J44_F J44_G J45_A J45_D J45_F J45_G J46_A J46_D J46_F J46_G J48_A J48_D J48_F J48_G J50_A J50_D J50_F J50_G J52_A J52_D J52_F J52_G J61_A J61_D J61_F J61_G J66_A J66_D J66_F J66_G J69_A J69_D J69_F J69_G J71_A J71_D J71_F J71_G J74_A J74_D J74_F J74_G J81_A J81_D J81_F J81_G J82_A J82_D J82_F J82_G J83_A J83_D J83_F J83_G J84_A J84_D J84_F J84_G J99_A J99_D J99_F J99_G J100_A J100_D J100_F J100_G R1_A R1_D R1_E R1_F R1_G R3_A R3_D R3_E R3_F R3_G R4_A R4_D R4_E R4_F R4_G R5_A R5_D R5_E R5_F R5_G R6_A R6_D R6_E R6_F R6_G R7_A R7_D R7_E R7_F R7_G R8_A R8_D R8_E R8_F R8_G R9_A R9_D R9_E R9_F R9_G R10_A R10_D R10_E R10_F R10_G R11_A R11_D R11_E R11_F R11_G R12_A R12_D R12_E R12_F R12_G R13_A R13_D R13_E R13_F R13_G R14_A R14_D R14_E R14_F R14_G R20_A R20_D R20_E R20_F R20_G R22_A R22_D R22_E R22_F R22_G R30_A R30_D R30_E R30_F R30_G R33_A R33_D R33_E R33_F R33_G R35_A R35_D R35_E R35_F R35_G R37_A R37_D R37_E R37_F R37_G R39_A R39_D R39_E R39_F R39_G R41_A R41_D R41_E R41_F R41_G R43_A R43_D R43_E R43_F R43_G R45_A R45_D R45_E R45_F R45_G R47_A R47_D R47_E R47_F R47_G R49_A R49_D R49_E R49_F R49_G R51_A R51_D R51_E R51_F R51_G R101_A R101_D R101_E R101_F R101_G R102_A R102_D R102_E R102_F R102_G R103_A R103_D R103_E R103_F R103_G R104_A R104_D R104_E R104_F R104_G: library part CMP-2000-03816-1

## Free pads (board coordinates)
  round 216.54 hole 137.8: 7(39798,40551) 7(39798,49880) 7(43272,40551)
  round 59 hole 35.43: 8(40150,50648) 9(40150,50723) 10(40150,50798) 11(40150,50573) 12(40150,50873)

## Via types
v1: diameter 24, hole 8, Top Layer to Bottom Layer, 1104 vias

## Nets (pads, with @x,y where several pads share a name; then routed paths per layer and width w, separated by ;. In a path a pad name is that pad's centre, name@x,y a point inside that pad or via, vN(x,y) a via of type N, cw(c..) or ccw(c..) an arc to the next point about the centre after c; other vN are vias at no path point)
2SMARDSENS_A: H1_D.16 H1_E.16 H1_F.16 H1_G.16 H1_K.16 | length 16167.2
  Top Layer w8: v1(40009,46607) 40146,46607 40163,46590 40193,46590 v1(40198,46595) ; v1(42132,40222) 42132,40359 42115,40376 42115,40406 v1(42120,40411) 42129,40420 42129,40465.41 42136,40472.41 42136,49937.59 42129,49944.59 42129,49990 v1(42120,49999) 42115,50004 42115,50034 42132,50051 v1(42132,50188) ; v1(42873,41988) 42878,41993 42908,41993 42925,41976 v1(43062,41976) ; v1(42873,47893) 42878,47898 42908,47898 42925,47881 v1(43062,47881)
  Bottom Layer w8: H1_D.16@39598,46612 39631,46612 39672.47,46570.53 39818.53,46570.53 39855,46607 v1(40009,46607) ; v1(40198,46595) 40207,46604 40252.41,46604 40259.41,46611 42102,46611 v1(42128,46585) ; v1(42129,41959) 42142,41972 42811.59,41972 42818.59,41979 42864,41979 v1(42873,41988) ; v1(42129,47864) 42142,47877 42811.59,47877 42818.59,47884 42864,47884 v1(42873,47893) ; v1(42132,40222) 42132,40089 42095.47,40052.47 42095.47,39972.53 42137,39931 H1_E.16@42137,39912 ; v1(42132,50188) 42132,50342 42095,50379 42095,50524 42137,50566 H1_K.16@42137,50599 ; v1(43062,41976) 43216,41976 43252.47,42012.47 43398.53,42012.47 43440,41971 H1_F.16@43473,41971 ; v1(43062,47881) 43216,47881 43252.47,47917.47 43398.53,47917.47 43440,47876 H1_G.16@43473,47876
2SMARDSENS_B: H1_D.18 H1_E.18 H1_F.18 H1_G.18 H1_K.18 | length 16247.9
  Top Layer w8: v1(40009,46507) 40146,46507 40163,46490 v1@40193,46490 ; v1(42032,40222) 42032,40359 42015,40376 42015,40406 v1(42020,40411) 42029,40420 42029,40465.41 42036,40472.41 42036,49937.59 42029,49944.59 42029,49990 v1(42020,49999) 42015,50004 42015,50034 42032,50051 v1(42032,50188) ; v1@42878,42093 42908,42093 42925,42076 v1(43062,42076) ; v1@42878,47998 42908,47998 42925,47981 v1(43062,47981)
  Bottom Layer w8: H1_D.18@39598,46512 39631,46512 39672.47,46470.53 39818.53,46470.53 39855,46507 v1(40009,46507) ; v1(40198,46495) 40207,46504 40252.41,46504 40259.41,46511 42002,46511 v1(42028,46485) ; v1@42028,42059 42041,42072 42811.59,42072 42818.59,42079 42864,42079 v1(42873,42088) ; v1@42028,47964 42041,47977 42811.59,47977 42818.59,47984 42864,47984 v1(42873,47993) ; v1(42032,40222) 42032,40089 41995.47,40052.47 41995.47,39972.53 42037,39931 H1_E.18@42037,39912 ; v1(42032,50188) 42032,50342 41995,50379 41995,50524 42037,50566 H1_K.18@42037,50599 ; v1(43062,42076) 43216,42076 43252.47,42112.47 43398.53,42112.47 43440,42071 H1_F.18@43473,42071 ; v1(43062,47981) 43216,47981 43252.47,48017.47 43398.53,48017.47 43440,47976 H1_G.18@43473,47976
  other v1: 42028,42058 42028,47963
3V3_BUS_1: H1_D.79 H1_E.79 H1_F.79 H1_G.79 H1_K.79 pad.12 | length 18396.7
  Top Layer w8: 41512,42528 41504,42536 41504,42580 v1(41512,42588) ; v1(41512,45955) 41504,45963 41504,46007 41512,46015 ; 41512,48433 41504,48441 41504,48485 v1(41512,48493)
  Top Layer w16: v1(41500,40436) 41509,40445 41509,40475 41512,40478 41512,40483 ; v1(41500,49974) 41509,49965 41509,49935 41512,49932 41512,49927
  Top Layer w24: 41512,40483 41512,42528 ; v1(41512,42588) v1(41512,45955) ; 41512,46015 41512,48433 ; v1(41512,48493) 41512,49922
  Bottom Layer w8: H1_D.79@39698,46012 39735,46012 39777.53,46054.53 39823.47,46054.53 39833,46045 39848,46045 ; pad.12@40150,50873 40175,50848 41575,50848 41593,50830 41593,50566 41537,50510 H1_K.79@41537,50499 41537,50462 41578.53,50420.47 41578.53,50372.53 41570,50364 41570,50349 ; H1_E.79@41537,39812 41578.53,39853.53 41578.53,40052.47 41570,40061 ; 43223,42538 43238,42538 43247.53,42528.47 43293.47,42528.47 43336,42571 H1_F.79@43373,42571 ; 43223,48443 43238,48443 43247.53,48433.47 43293.47,48433.47 43336,48476 H1_G.79@43373,48476
  Bottom Layer w16: v1(40223,45975) 40232,45984 40262,45984 ; 40265,45987 40270,45987 ; 42801,42596 42806,42596 ; 42801,48501 42806,48501 ; 42809,42599 42839,42599 v1(42848,42608) ; 42809,48504 42839,48504 v1(42848,48513)
  Bottom Layer w22: 40208,45960 v1(40223,45975) ; 41485,40421 v1(41500,40436) ; 41485,49989 v1(41500,49974) ; v1(42848,42608) 42863,42623 ; v1(42848,48513) 42863,48528
  Bottom Layer w24: 39848,46045 40068,46045 40153,45960 40208,45960 ; 40270,45987 41480,45987 v1@41511,45956 ; 41485,40421 41485,40366 41570,40281 41570,40061 ; 41485,49989 41485,50044 41570,50129 41570,50349 ; v1(41512,42588) 41520,42596 42801,42596 ; v1(41512,48493) 41520,48501 42801,48501 ; 42863,42623 42918,42623 43003,42538 43223,42538 ; 42863,48528 42918,48528 43003,48443 43223,48443
3V3_BUS_2: H1_D.80 H1_E.80 H1_F.80 H1_G.80 H1_K.80 | length 16171.6
  Top Layer w8: 41512,40069 41495.47,40052.47 41495.47,39753.53 H1_E.80@41537,39712
  Top Layer w12: v1(41480,42608) 41486,42614 41486,42662 41480,42668 ; 41480,45875 41486,45881 41486,45929 v1(41480,45935) ; v1(41480,48513) 41486,48519 41486,48567 41480,48573
  Top Layer w22: 40177,45966 40200,45943 40236.25,45943 v1@40248.13,45954.87 ; v1@41479.87,40461.13 41468,40449.25 41468,40413 41491,40390 ; v1@41479.87,49948.87 41468,49960.75 41468,49997 41491,50020 ; v1@42822.87,42628.13 42834.75,42640 42871,42640 42894,42617 ; v1@42822.87,48533.13 42834.75,48545 42871,48545 42894,48522
  Top Layer w24: H1_D.80@39798,46012 39823,45987 39972,45987 39984,45975 40012.6,45975 40021.6,45966 40177,45966 ; v1(41480,40461) v1(41480,42608) ; 41480,42668 41480,45875 ; v1(41480,45935) v1(41480,48513) ; 41480,48573 v1@41480,49944 ; 41491,40390 41491,40234.6 41500,40225.6 41500,40197 41512,40185 41512,40069 ; 41491,50020 41491,50175.4 41500,50184.4 41500,50213 41512,50225 41512,50374 H1_K.80@41537,50399 ; 42894,42617 43049.4,42617 43058.4,42608 43087,42608 43099,42596 43248,42596 H1_F.80@43273,42571 ; 42894,48522 43049.4,48522 43058.4,48513 43087,48513 43099,48501 43248,48501 H1_G.80@43273,48476
  Bottom Layer w24: v1(40248,45955) 41460,45955 v1(41480,45935) ; v1(41480,42608) 41500,42628 v1(42823,42628) ; v1(41480,48513) 41500,48533 v1(42823,48533)
  other v1: 41480,49949
5V_BUS_1: H1_D.77 H1_E.77 H1_F.77 H1_G.77 H1_K.77 | length 16483.1
  Top Layer w8: 41612,42428 41604,42436 41604,42480 v1(41612,42488) ; v1(41612,46055) 41604,46063 41604,46107 41612,46115 ; 41612,48333 41604,48341 41604,48385 v1(41612,48393)
  Top Layer w16: v1(41600,40436) 41609,40445 41609,40475 41612,40478 41612,40483 ; v1(41600,49974) 41609,49965 41609,49935 41612,49932 41612,49927
  Top Layer w24: 41612,40483 41612,42428 ; v1(41612,42488) v1(41612,46055) ; 41612,46115 41612,48333 ; v1(41612,48393) 41612,49922
  Bottom Layer w8: H1_D.77@39698,46112 39735,46112 39777.53,46154.53 39823.47,46154.53 39833,46145 39848,46145 ; H1_E.77@41637,39812 41678.53,39853.53 41678.53,40052.47 41670,40061 ; H1_K.77@41637,50499 41637,50462 41678.53,50420.47 41678.53,50372.53 41670,50364 41670,50349 ; 43223,42438 43238,42438 43247.53,42428.47 43293.47,42428.47 43336,42471 H1_F.77@43373,42471 ; 43223,48343 43238,48343 43247.53,48333.47 43293.47,48333.47 43336,48376 H1_G.77@43373,48376
  Bottom Layer w16: v1(40223,46075) 40232,46084 40262,46084 ; 40265,46087 40270,46087 ; 42801,42496 42806,42496 ; 42801,48401 42806,48401 ; 42809,42499 42839,42499 v1(42848,42508) ; 42809,48404 42839,48404 v1(42848,48413)
  Bottom Layer w22: 40208,46060 v1(40223,46075) ; 41585,40421 v1(41600,40436) ; 41585,49989 v1(41600,49974) ; v1(42848,42508) 42863,42523 ; v1(42848,48413) 42863,48428
  Bottom Layer w24: 39848,46145 40068,46145 40153,46060 40208,46060 ; 40270,46087 41580,46087 v1(41612,46055) ; 41585,40421 41585,40366 41670,40281 41670,40061 ; 41585,49989 41585,50044 41670,50129 41670,50349 ; v1(41612,42488) 41620,42496 42801,42496 ; v1(41612,48393) 41620,48401 42801,48401 ; 42863,42523 42918,42523 43003,42438 43223,42438 ; 42863,48428 42918,48428 43003,48343 43223,48343
5V_BUS_2: H1_D.78 H1_E.78 H1_F.78 H1_G.78 H1_K.78 | length 16071.6
  Top Layer w8: 41612,40069 41595.47,40052.47 41595.47,39753.53 H1_E.78@41637,39712
  Top Layer w12: v1(41580,42508) 41586,42514 41586,42562 41580,42568 ; 41580,45975 41586,45981 41586,46029 v1(41580,46035) ; v1(41580,48413) 41586,48419 41586,48467 41580,48473
  Top Layer w22: 40177,46066 40200,46043 40236.25,46043 v1@40248.13,46054.87 ; v1@41579.87,40461.13 41568,40449.25 41568,40413 41591,40390 ; v1@41579.87,49948.87 41568,49960.75 41568,49997 41591,50020 ; v1@42822.87,42528.13 42834.75,42540 42871,42540 42894,42517 ; v1@42822.87,48433.13 42834.75,48445 42871,48445 42894,48422
  Top Layer w24: H1_D.78@39798,46112 39823,46087 39972,46087 39984,46075 40012.6,46075 40021.6,46066 40177,46066 ; v1(41580,40461) v1(41580,42508) ; 41580,42568 41580,45975 ; v1(41580,46035) v1(41580,48413) ; 41580,48473 v1@41580,49944 ; 41591,40390 41591,40234.6 41600,40225.6 41600,40197 41612,40185 41612,40069 ; 41591,50020 41591,50175.4 41600,50184.4 41600,50213 41612,50225 41612,50374 H1_K.78@41637,50399 ; 42894,42517 43049.4,42517 43058.4,42508 43087,42508 43099,42496 43248,42496 H1_F.78@43273,42471 ; 42894,48422 43049.4,48422 43058.4,48413 43087,48413 43099,48401 43248,48401 H1_G.78@43273,48376
  Bottom Layer w24: v1(40248,46055) 41560,46055 v1(41580,46035) ; v1(41580,42508) 41600,42528 v1(42823,42528) ; v1(41580,48413) 41600,48433 v1(42823,48433)
  other v1: 41580,49949
5V_USB_CHG: H1_D.32 H1_E.32 H1_F.32 H1_G.32 H1_K.32 | length 16970
  Top Layer w8: v1(40009,45807) 40146,45807 40163,45790 40193,45790 v1(40198,45795) ; v1(41332,40222) 41332,40359 41315,40376 41315,40406 v1(41320,40411) 41329,40420 41329,40465.41 41336,40472.41 41336,49937.59 41329,49944.59 41329,49990 v1(41320,49999) 41315,50004 41315,50034 41332,50051 v1(41332,50188) ; v1(42873,42788) 42878,42793 42908,42793 42925,42776 v1(43062,42776) ; v1(42873,48693) 42878,48698 42908,48698 42925,48681 v1(43062,48681)
  Bottom Layer w8: H1_D.32@39598,45812 39631,45812 39672.47,45770.53 39818.53,45770.53 39855,45807 v1(40009,45807) ; v1(40198,45795) 40207,45804 40252.41,45804 40259.41,45811 41302,45811 v1(41328,45785) ; v1(41328,42758) 41342,42772 42811.59,42772 42818.59,42779 42864,42779 v1(42873,42788) ; v1(41328,48663) 41342,48677 42811.59,48677 42818.59,48684 42864,48684 v1(42873,48693) ; v1(41332,40222) 41332,40089 41295.47,40052.47 41295.47,39972.53 41337,39931 H1_E.32@41337,39912 ; v1(41332,50188) 41332,50342 41295,50379 41295,50524 41337,50566 H1_K.32@41337,50599 ; v1(43062,42776) 43216,42776 43252.47,42812.47 43398.53,42812.47 43440,42771 H1_F.32@43473,42771 ; v1(43062,48681) 43216,48681 43252.47,48717.47 43398.53,48717.47 43440,48676 H1_G.32@43473,48676
12V_BUS_1: H1_D.75 H1_E.75 H1_F.75 H1_G.75 H1_K.75 | length 16383.1
  Top Layer w8: 41712,42328 41704,42336 41704,42380 v1(41712,42388) ; v1(41712,46155) 41704,46163 41704,46207 41712,46215 ; 41712,48233 41704,48241 41704,48285 v1(41712,48293)
  Top Layer w16: v1(41700,40436) 41709,40445 41709,40475 41712,40478 41712,40486 ; v1(41700,49974) 41709,49965 41709,49935 41712,49932 41712,49927
  Top Layer w24: 41712,40486 41712,42328 ; v1(41712,42388) v1(41712,46155) ; 41712,46215 41712,48233 ; v1(41712,48293) 41712,49922
  Bottom Layer w8: H1_D.75@39698,46212 39735,46212 39777.53,46254.53 39823.47,46254.53 39833,46245 39848,46245 ; H1_E.75@41737,39812 41778.53,39853.53 41778.53,40052.47 41770,40061 ; H1_K.75@41737,50499 41737,50462 41778.53,50420.47 41778.53,50372.53 41770,50364 41770,50349 ; 43223,42338 43238,42338 43247.53,42328.47 43293.47,42328.47 43336,42371 H1_F.75@43373,42371 ; 43223,48243 43238,48243 43247.53,48233.47 43293.47,48233.47 43336,48276 H1_G.75@43373,48276
  Bottom Layer w16: v1(40223,46175) 40232,46184 40262,46184 ; 40265,46187 40270,46187 ; 42801,42396 42806,42396 ; 42801,48301 42806,48301 ; 42809,42399 42839,42399 v1(42848,42408) ; 42809,48304 42839,48304 v1(42848,48313)
  Bottom Layer w22: 40208,46160 v1(40223,46175) ; 41685,40421 v1(41700,40436) ; 41685,49989 v1(41700,49974) ; v1(42848,42408) 42863,42423 ; v1(42848,48313) 42863,48328
  Bottom Layer w24: 39848,46245 40068,46245 40153,46160 40208,46160 ; 40270,46187 41680,46187 v1(41712,46155) ; 41685,40421 41685,40366 41770,40281 41770,40061 ; 41685,49989 41685,50044 41770,50129 41770,50349 ; v1(41712,42388) 41720,42396 42801,42396 ; v1(41712,48293) 41720,48301 42801,48301 ; 42863,42423 42918,42423 43003,42338 43223,42338 ; 42863,48328 42918,48328 43003,48243 43223,48243